# KiCad board RobotLegoController.kicad_pcb
title: Robot Lego Controller REV A; date: 2023-03-01; rev: REV A; note: design by sggtav; note: sggtav@hotmail.com
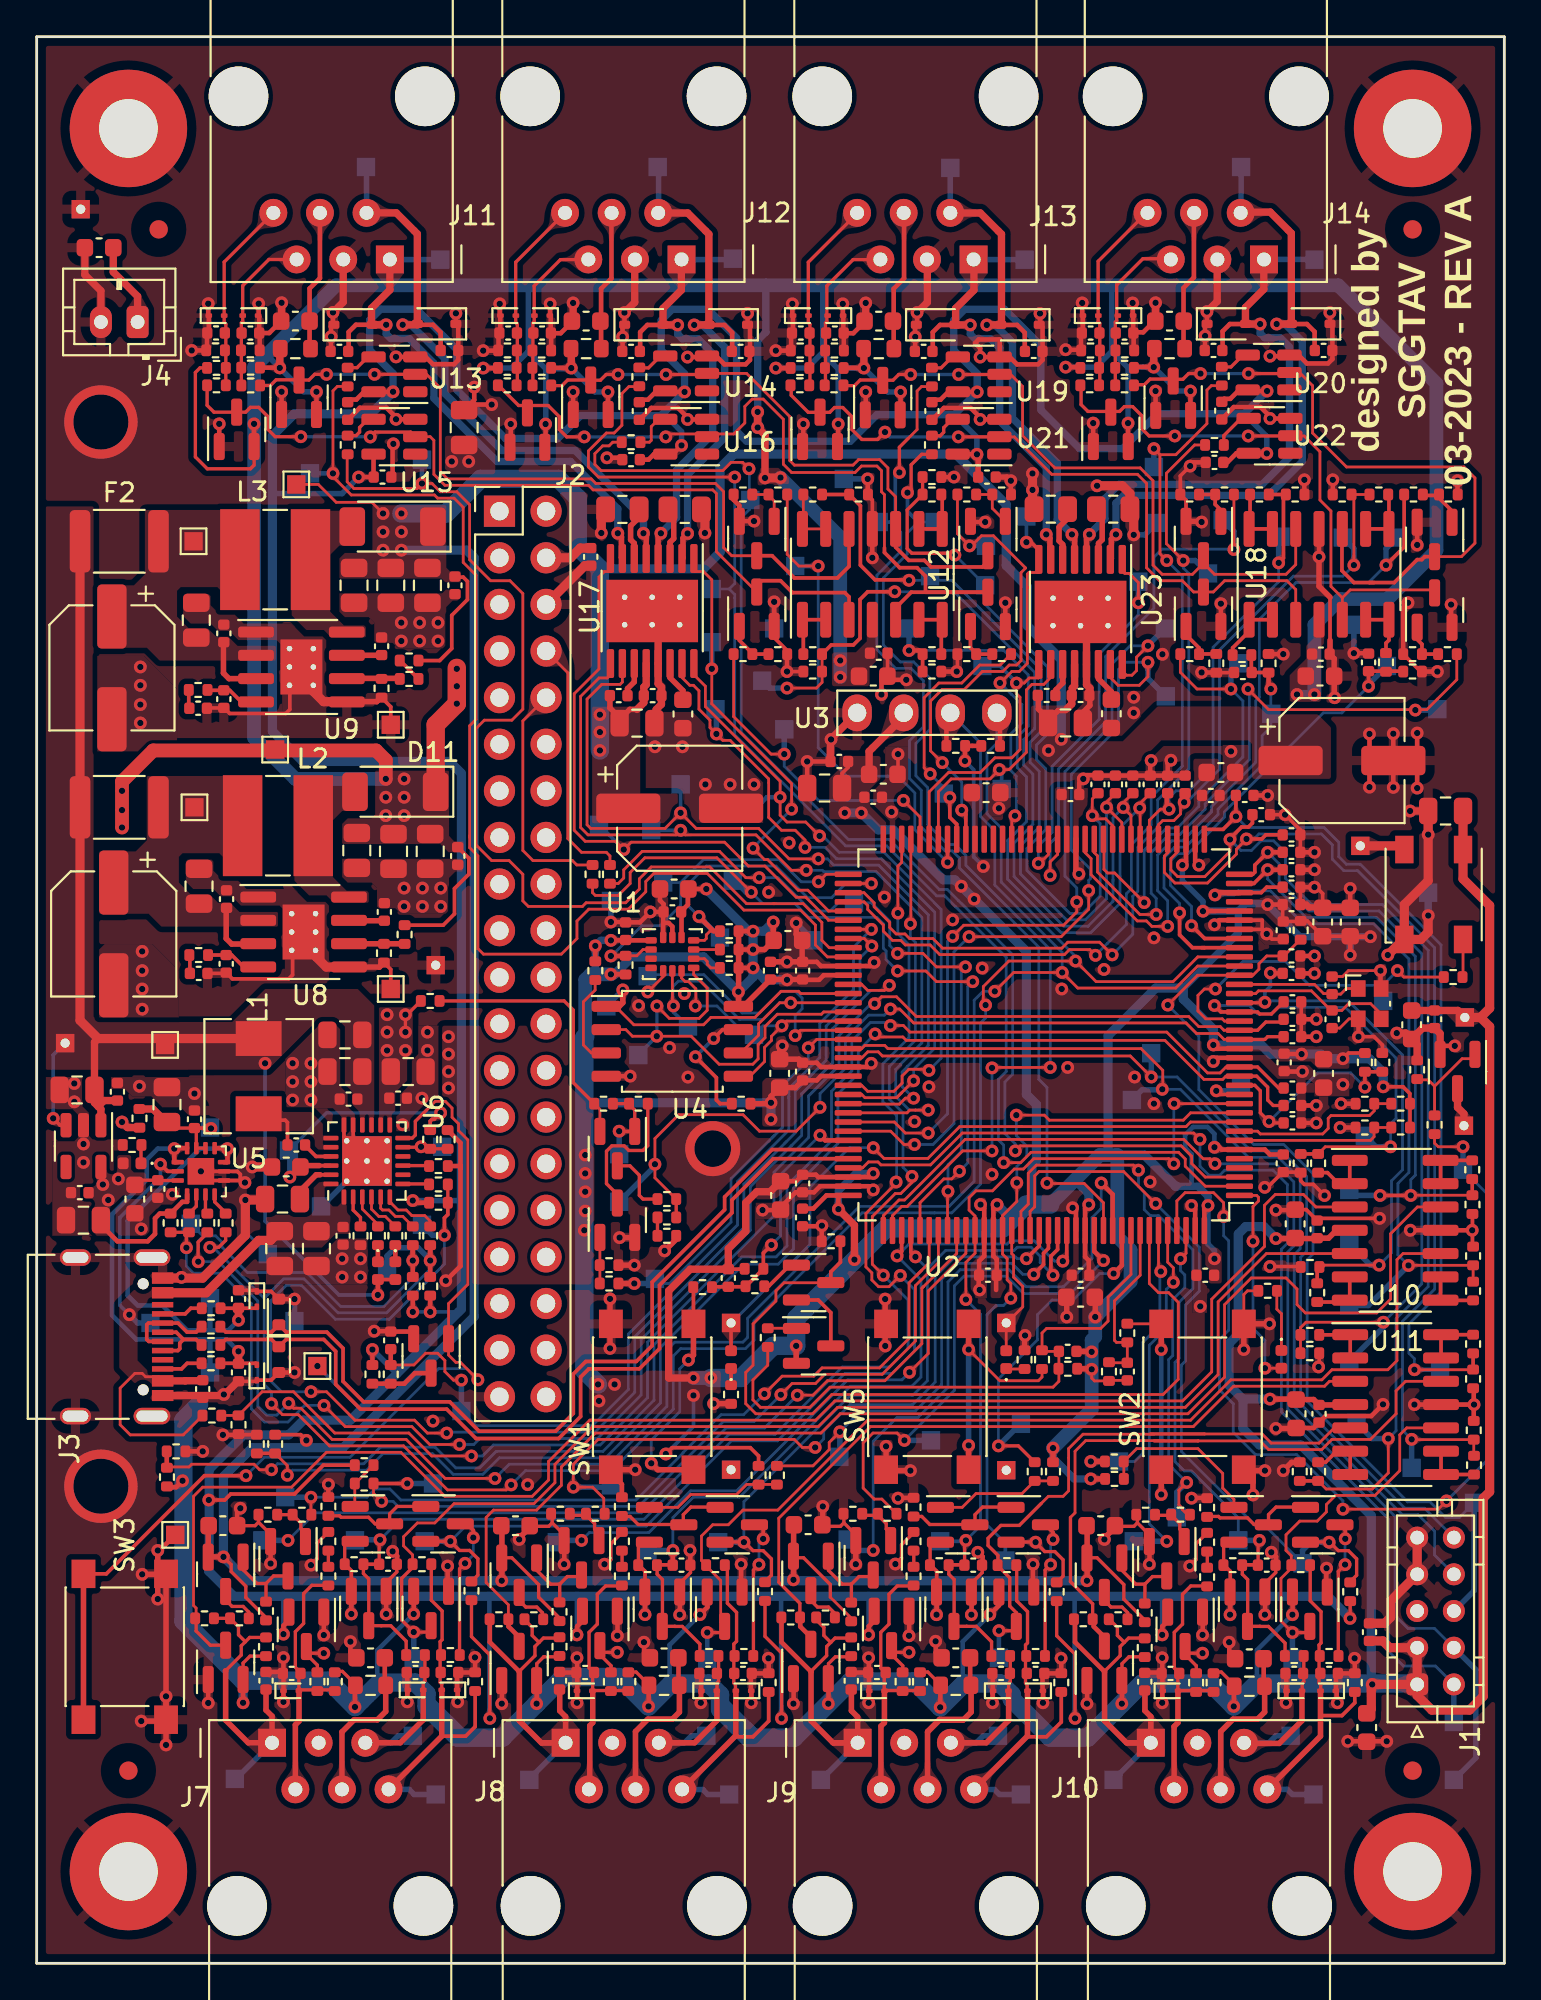
[diagram p0: board, top side]
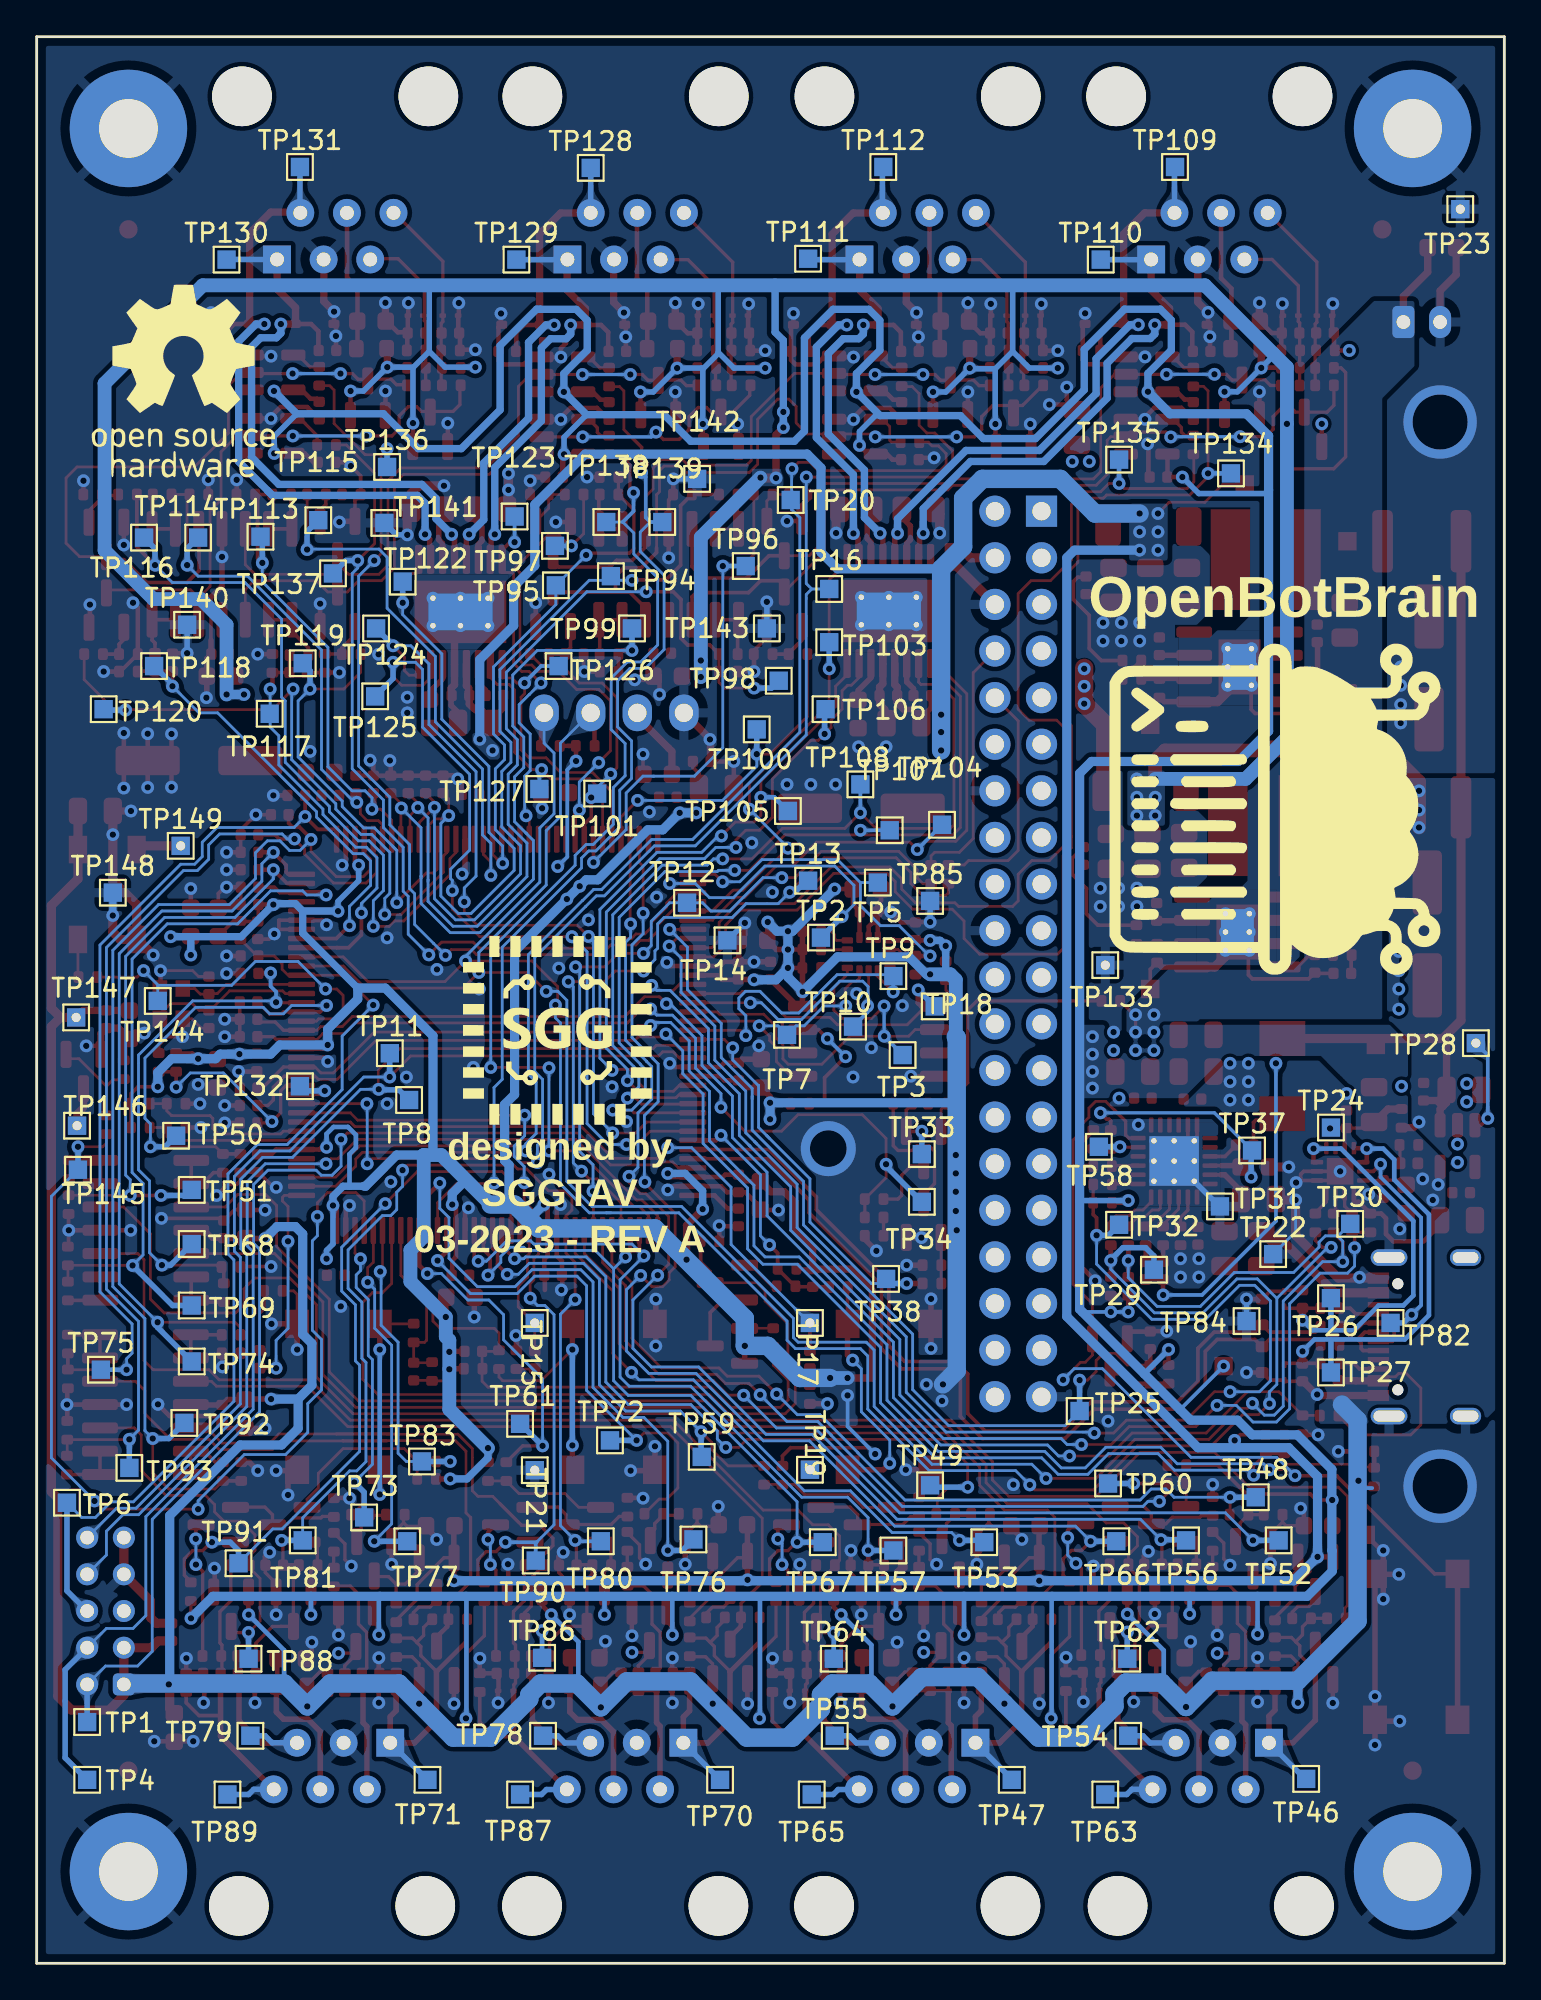
[diagram p1: board, bottom side, seen from below]

Outline 80 x 105 mm; copper layers: L1, L2 (plane), L3 (plane), L4. Coordinates in mm from the lower left corner of the outline.
Outline path: 0,105 0,0 80,0 80,105 0,105
Stack: L1 0.035mm / dielectric 0.1mm FR4 er 4.5 / L2 0.035mm / dielectric 1.24mm FR4 er 4.5 / L3 0.035mm / dielectric 0.1mm FR4 er 4.5 / L4 0.035mm

## Placement (name value [footprint] x y rotation side)
C1  100n  [C_0402_1005Metric]  72.65 18.05 270 top
C2  1u 16V  [C_0603_1608Metric]  72.5 12.85 270 top
C3  1u 16V  [C_0603_1608Metric]  34.75 58.55 180 top
C4  100n  [C_0402_1005Metric]  32.1 56.25 90 top
C5  100n  [C_0402_1005Metric]  34.65 57.3 180 top
C6  100n  [C_0402_1005Metric]  56.2 33.35 180 top
C7  100n  [C_0402_1005Metric]  37.7 37.35 270 top
C8  100n  [C_0402_1005Metric]  59.45 32.25 90 top
C9  10u  [C_0805_2012Metric]  23.3 83.7 90 top
C10  100n  [C_0402_1005Metric]  30.2 76.65 270 top
C11  4u7 16V  [C_0603_1608Metric]  40.5 48.5 90 top
C12  100n  [C_0402_1005Metric]  41.75 48.6 270 top
C13  4u7 16V  [C_0603_1608Metric]  56.9 36.3 180 top
C14  100n  [C_0402_1005Metric]  56.9 37.5 0 top
C15  10n  [C_0402_1005Metric]  68.4 57.7 0 top
C16  1u 16V  [C_0603_1608Metric]  70.1 56.75 90 top
C17  1u 16V  [C_0603_1608Metric]  71.6 56.75 90 top
C18  100n  [C_0402_1005Metric]  67.95 56.3 90 top
C19  1u 16V  [C_0603_1608Metric]  40.55 41.85 270 top
C20  100n  [C_0402_1005Metric]  41.75 42.5 90 top
C21  6p8  [C_0402_1005Metric]  70.61 53.3 90 top
C22  6p8  [C_0402_1005Metric]  70.61 51.45 270 top
C23  100n  [C_0402_1005Metric]  67.95 43.6 90 top
C24  100n  [C_0402_1005Metric]  68 49.1 90 top
C25  100n  [C_0402_1005Metric]  64 63.65 180 top
C26  100n  [C_0402_1005Metric]  56.35 63.7 180 top
C27  100n  [C_0402_1005Metric]  45.59 63.55 180 top
C28  100n  [C_0402_1005Metric]  41.75 54.1 270 top
C29  100n  [C_0402_1005Metric]  41.75 40.65 90 top
C30  100n  [C_0402_1005Metric]  68.4 54.9 0 top
C31  100n  [C_0402_1005Metric]  51.85 37.5 0 top
C32  100n  [C_0402_1005Metric]  63.7 37.5 0 top
C33  1u 16V  [C_0603_1608Metric]  64.55 64.9 0 top
C34  1u 16V  [C_0603_1608Metric]  70.15 48.5 270 top
C35  1u 16V  [C_0603_1608Metric]  46.15 64.8 0 top
C36  1u 16V  [C_0603_1608Metric]  51.75 63.8 0 top
C37  1u 16V  [C_0603_1608Metric]  40.95 55.75 0 top
C38  100n  [C_0402_1005Metric]  40 54.1 90 top
C39  100n  [C_0402_1005Metric]  43.75 65.5 0 top
C40  10u 16V  [C_0805_2012Metric]  42.95 64.05 180 top
C41  100n  [C_0402_1005Metric]  9.05 31.3 270 top
C42  100n  [C_0402_1005Metric]  6.6 42.2 270 top
C43  1u 16V  [C_0603_1608Metric]  5.35 41.65 270 top
C44  10u 16V  [C_0805_2012Metric]  7.1 46.8 90 top
C45  100n  [C_0402_1005Metric]  8.6 46 90 top
C46  100n  [C_0402_1005Metric]  19.3 33.95 90 top
C47  330p  [C_0402_1005Metric]  11 32.2 270 top
C48  330p  [C_0402_1005Metric]  11 36.2 90 top
C49  10u  [C_0805_2012Metric]  13.25 38.95 270 top
C50  10u  [C_0805_2012Metric]  15.25 38.95 270 top
C51  10u  [C_0805_2012Metric]  16.8 50.6 180 top
C52  100n  [C_0402_1005Metric]  16.7 39.65 270 top
C53  1u 16V  [C_0603_1608Metric]  3.4 93.5 180 top
C54  100n  [C_0402_1005Metric]  14.15 44.6 0 top
C55  100n  [C_0402_1005Metric]  17 47.1 180 top
C56  10u  [C_0805_2012Metric]  16.8 48.6 180 top
C57  10u 16V  [C_0805_2012Metric]  76.8 62.8 180 top
C58  100n  [C_0402_1005Metric]  68.45 50.5 0 top
C59  10u 16V  [C_0805_2012Metric]  20.25 48.6 0 top
C60  4u7 16V  [C_0603_1608Metric]  13.6 43.4 180 top
C61  10u 16V  [C_0805_2012Metric]  2.2 47.6 180 top
C62  100n  [C_0402_1005Metric]  4.4 47.5 90 top
C63  100n  [C_0402_1005Metric]  2.35 42 180 top
C64  10u 16V  [C_0805_2012Metric]  2.55 40.5 180 top
C65  10u 16V  [C_0805_2012Metric]  13.4 41.65 180 top
C66  100uF 16V  [CP_Elec_6.3x5.2]  4.2 56.1 270 top
C67  10u 16V  [C_0805_2012Metric]  8.85 58.7 90 top
C68  100n  [C_0402_1005Metric]  10.35 58 90 top
C69  100uF 16V  [CP_Elec_6.3x5.2]  4.1 70.6 270 top
C70  10u 16V  [C_0805_2012Metric]  8.7 73.2 90 top
C71  100n  [C_0402_1005Metric]  10.2 72.48 90 top
C72  100n  [C_0402_1005Metric]  22.95 60.35 270 top
C73  10u  [C_0805_2012Metric]  17.45 60.65 270 top
C74  10u  [C_0805_2012Metric]  19.45 60.6 270 top
C75  10u  [C_0805_2012Metric]  21.45 60.6 270 top
C76  100n  [C_0402_1005Metric]  22.8 75.1 270 top
C77  10u  [C_0805_2012Metric]  17.3 75.1 270 top
C78  10u  [C_0805_2012Metric]  19.3 75.1 270 top
C79  10u  [C_0805_2012Metric]  21.3 75.1 270 top
C80  10n  [C_0402_1005Metric]  18.95 57.3 90 top
C81  10n  [C_0402_1005Metric]  18.8 71.78 90 top
C82  47p  [C_0402_1005Metric]  10.33 54.47 270 top
C83  47p  [C_0402_1005Metric]  10.2 68.9 270 top
C84  2.2n  [C_0402_1005Metric]  8.83 53.95 0 top
C85  2.2n  [C_0402_1005Metric]  8.8 68.4 0 top
C86  10n  [C_0402_1005Metric]  68.45 51.45 0 top
C87  10n  [C_0402_1005Metric]  68.45 46.75 0 top
C88  10n  [C_0402_1005Metric]  68.45 47.7 0 top
C89  10n  [C_0402_1005Metric]  68.45 45.8 0 top
C90  1u 16V  [C_0603_1608Metric]  10.15 23.85 0 top
C91  1u 16V  [C_0603_1608Metric]  26.1 23.85 0 top
C92  1u 16V  [C_0603_1608Metric]  68.65 29.95 90 top
C93  100n  [C_0402_1005Metric]  69.9 29.95 270 top
C94  1u 16V  [C_0603_1608Metric]  18.2 16.65 0 top
C95  330p  [C_0402_1005Metric]  12.5 15.4 90 top
C96  330p  [C_0402_1005Metric]  28.5 15.4 90 top
C97  10n  [C_0402_1005Metric]  68.45 52.4 0 top
C98  10n  [C_0402_1005Metric]  68.4 59.6 0 top
C99  1u 16V  [C_0603_1608Metric]  34.2 16.65 0 top
C100  330p  [C_0402_1005Metric]  13.9 15.8 180 top
C101  330p  [C_0402_1005Metric]  29.9 15.85 180 top
C102  330p  [C_0402_1005Metric]  20.65 15.85 180 top
C103  330p  [C_0402_1005Metric]  19.15 21.75 0 top
C104  330p  [C_0402_1005Metric]  36.6 15.8 180 top
C105  330p  [C_0402_1005Metric]  35.15 21.7 0 top
C106  330p  [C_0402_1005Metric]  22.5 15.85 0 top
C107  330p  [C_0402_1005Metric]  38.5 15.8 0 top
C108  10n  [C_0402_1005Metric]  68.4 53.95 0 top
C109  10n  [C_0402_1005Metric]  68.4 58.65 0 top
C110  1u 16V  [C_0603_1608Metric]  42.05 23.9 0 top
C111  1u 16V  [C_0603_1608Metric]  58 23.85 0 top
C112  1u 16V  [C_0603_1608Metric]  68.6 40.3 270 top
C113  100n  [C_0402_1005Metric]  69.8 40 90 top
C114  1u 16V  [C_0603_1608Metric]  50.1 16.65 0 top
C115  330p  [C_0402_1005Metric]  44.4 15.4 90 top
C116  330p  [C_0402_1005Metric]  60.4 15.35 90 top
C117  10n  [C_0402_1005Metric]  68.4 60.55 0 top
C118  10n  [C_0402_1005Metric]  65.85 63.65 0 top
C119  1u 16V  [C_0603_1608Metric]  66.1 16.6 0 top
C120  330p  [C_0402_1005Metric]  45.8 15.85 180 top
C121  330p  [C_0402_1005Metric]  61.8 15.8 180 top
C122  330p  [C_0402_1005Metric]  52.57 15.8 180 top
C123  330p  [C_0402_1005Metric]  51.05 21.7 0 top
C124  330p  [C_0402_1005Metric]  68.55 15.8 180 top
C125  330p  [C_0402_1005Metric]  67.05 21.7 0 top
C126  330p  [C_0402_1005Metric]  54.45 15.8 0 top
C127  330p  [C_0402_1005Metric]  70.45 15.8 0 top
C128  10n  [C_0402_1005Metric]  66.75 62.6 0 top
C129  10n  [C_0402_1005Metric]  68.4 61.5 0 top
C130  330p  [C_0402_1005Metric]  11.65 88.85 0 top
C131  330p  [C_0402_1005Metric]  27.55 88.85 0 top
C132  1u 16V  [C_0603_1608Metric]  14.1 89.5 0 top
C133  10n  [C_0402_1005Metric]  58.8 64.25 90 top
C134  10n  [C_0402_1005Metric]  57.85 64.25 90 top
C135  1u 16V  [C_0603_1608Metric]  29.95 89.5 0 top
C136  330p  [C_0402_1005Metric]  9.78 88.85 180 top
C137  330p  [C_0402_1005Metric]  25.7 88.85 180 top
C138  10n  [C_0402_1005Metric]  59.75 64.25 90 top
C139  10n  [C_0402_1005Metric]  60.7 64.25 90 top
C140  1u 16V  [C_0603_1608Metric]  45.6 70.15 0 top
C141  100n  [C_0402_1005Metric]  45.9 71.4 180 top
C142  100n  [C_0402_1005Metric]  18.85 81 0 top
C143  100n  [C_0402_1005Metric]  32.4 81.95 180 top
C144  100n  [C_0402_1005Metric]  16.95 84.6 270 top
C145  100n  [C_0402_1005Metric]  32.85 84.6 270 top
C146  100n  [C_0402_1005Metric]  33.57 69.09 0 top
C147  10u 16V  [C_0805_2012Metric]  32.72 67.59 0 top
C148  100uF 16V  [CP_Elec_6.3x5.2]  35.05 62.95 0 top
C149  4u7 16V  [C_0603_1608Metric]  35.22 68.09 270 top
C150  10n  [C_0402_1005Metric]  31.72 69.09 0 top
C151  330p  [C_0402_1005Metric]  22.5 87.9 0 top
C152  330p  [C_0402_1005Metric]  16.5 87.85 180 top
C153  330p  [C_0402_1005Metric]  32.4 87.85 180 top
C154  330p  [C_0402_1005Metric]  38.37 87.85 0 top
C155  330p  [C_0402_1005Metric]  43.51 88.85 0 top
C156  330p  [C_0402_1005Metric]  59.3 88.85 0 top
C157  1u 16V  [C_0603_1608Metric]  45.9 89.5 0 top
C158  10n  [C_0402_1005Metric]  61.65 64.25 90 top
C159  10n  [C_0402_1005Metric]  62.6 64.25 90 top
C160  1u 16V  [C_0603_1608Metric]  61.75 89.5 0 top
C161  330p  [C_0402_1005Metric]  41.65 88.85 180 top
C162  330p  [C_0402_1005Metric]  57.45 88.85 180 top
C163  10n  [C_0402_1005Metric]  65.75 70.35 180 top
C164  10n  [C_0402_1005Metric]  72.6 70.9 90 top
C165  1u 16V  [C_0603_1608Metric]  69.95 70.15 0 top
C166  100n  [C_0402_1005Metric]  70 71.35 180 top
C167  100n  [C_0402_1005Metric]  51.8 81 0 top
C168  100n  [C_0402_1005Metric]  64.2 81.8 180 top
C169  100n  [C_0402_1005Metric]  48.8 84.6 270 top
C170  100n  [C_0402_1005Metric]  64.6 84.62 270 top
C171  100n  [C_0402_1005Metric]  56.9 69.1 0 top
C172  10u 16V  [C_0805_2012Metric]  56.08 67.6 0 top
C173  100uF 16V  [CP_Elec_6.3x5.2]  71.15 65.55 0 top
C174  4u7 16V  [C_0603_1608Metric]  58.58 68.1 270 top
C175  10n  [C_0402_1005Metric]  55.05 69.1 0 top
C176  330p  [C_0402_1005Metric]  54.35 87.85 0 top
C177  330p  [C_0402_1005Metric]  48.35 87.85 180 top
C178  330p  [C_0402_1005Metric]  64.15 87.9 180 top
C179  330p  [C_0402_1005Metric]  70.15 87.9 0 top
C180  100n  [C_0402_1005Metric]  19.7 47.15 0 top
C181  1u 16V  [C_0603_1608Metric]  74.95 51.15 90 top
C182  100n  [C_0402_1005Metric]  76.2 51.45 270 top
D1  LED  [LED_0402_1005Metric]  52.85 32.9 90 top
D2  LED  [LED_0402_1005Metric]  67.85 32.92 270 top
D3  LED  [LED_0402_1005Metric]  37.85 32.9 90 top
D4  ESD5Zxx  [D_SOD-523]  13.2 32.9 270 top
D5  ESD5Zxx  [D_SOD-523]  13.2 35.5 90 top
D6  ESD9B5.0ST5G  [D_SOD-923]  12 32.2 90 top
D7  ESD9B5.0ST5G  [D_SOD-923]  12 36.2 270 top
D8  LED  [LED_0402_1005Metric]  19.55 37.75 270 top
D9  LED  [LED_0402_1005Metric]  18.6 37.75 270 top
D10  LED  [LED_0402_1005Metric]  5.2 43.6 180 top
D11  FSV330AF  [D_SOD-128]  19.55 63.85 180 top
D12  FSV330AF  [D_SOD-128]  19.4 78.3 180 top
D13  BAT54S  [SOT-23]  10.3 16.4 90 top
D14  BAT54S  [SOT-23]  26.3 16.34 90 top
D15  BAT54S  [SOT-23]  14.7 18.2 270 top
D16  BAT54S  [SOT-23]  30.7 18.25 270 top
D17  ESD9B5.0ST5G  [D_SOD-923]  13.87 14.85 0 top
D18  ESD9B5.0ST5G  [D_SOD-923]  29.87 14.85 0 top
D19  BAT54S  [SOT-23]  18.1 19.34 270 top
D20  BAT54S  [SOT-23]  34.1 19.3 270 top
D21  ESD9B5.0ST5G  [D_SOD-923]  20.65 14.9 0 top
D22  ESD9B5.0ST5G  [D_SOD-923]  36.65 14.85 0 top
D23  BAT54S  [SOT-23]  21.5 19.34 270 top
D24  BAT54S  [SOT-23]  37.5 19.3 270 top
D25  ESD9B5.0ST5G  [D_SOD-923]  22.5 14.9 180 top
D26  ESD9B5.0ST5G  [D_SOD-923]  38.53 14.85 180 top
D27  BAT54S  [SOT-23]  42.2 16.45 90 top
D28  BAT54S  [SOT-23]  58.2 16.35 90 top
D29  BAT54S  [SOT-23]  46.6 18.25 270 top
D30  BAT54S  [SOT-23]  62.6 18.2 270 top
D31  ESD9B5.0ST5G  [D_SOD-923]  45.8 14.85 0 top
D32  ESD9B5.0ST5G  [D_SOD-923]  61.8 14.85 0 top
D33  BAT54S  [SOT-23]  50 19.3 270 top
D34  BAT54S  [SOT-23]  66 19.3 270 top
D35  ESD9B5.0ST5G  [D_SOD-923]  52.55 14.85 0 top
D36  ESD9B5.0ST5G  [D_SOD-923]  68.55 14.85 0 top
D37  BAT54S  [SOT-23]  53.4 19.3 270 top
D38  BAT54S  [SOT-23]  69.4 19.3 270 top
D39  ESD9B5.0ST5G  [D_SOD-923]  54.43 14.85 180 top
D40  ESD9B5.0ST5G  [D_SOD-923]  70.4 14.85 180 top
D41  ESD9B5.0ST5G  [D_SOD-923]  11.65 89.8 180 top
D42  ESD9B5.0ST5G  [D_SOD-923]  27.55 89.8 180 top
D43  BAT54S  [SOT-23]  14.3 85.35 90 top
D44  BAT54S  [SOT-23]  30.2 85.35 90 top
D45  ESD9B5.0ST5G  [D_SOD-923]  9.8 89.8 0 top
D46  ESD9B5.0ST5G  [D_SOD-923]  25.7 89.8 0 top
D47  BAT54S  [SOT-23]  10.9 83.6 90 top
D48  BAT54S  [SOT-23]  26.75 83.56 90 top
D49  SD12_SOD323  [D_SOD-323]  21.8 89.35 180 top
D50  SD12_SOD323  [D_SOD-323]  17.25 89.3 0 top
D51  SD12_SOD323  [D_SOD-323]  33.1 89.3 0 top
D52  SD12_SOD323  [D_SOD-323]  37.7 89.3 180 top
D53  ESD9B5.0ST5G  [D_SOD-923]  43.54 89.8 180 top
D54  ESD9B5.0ST5G  [D_SOD-923]  59.35 89.8 180 top
D55  BAT54S  [SOT-23]  46.12 85.33 90 top
D56  BAT54S  [SOT-23]  61.95 85.3 90 top
D57  ESD9B5.0ST5G  [D_SOD-923]  41.65 89.8 0 top
D58  ESD9B5.0ST5G  [D_SOD-923]  57.45 89.8 0 top
D59  BAT54S  [SOT-23]  42.7 83.6 90 top
D60  BAT54S  [SOT-23]  58.55 83.6 90 top
D61  SD12_SOD323  [D_SOD-323]  53.6 89.3 180 top
D62  SD12_SOD323  [D_SOD-323]  49 89.3 0 top
D63  SD12_SOD323  [D_SOD-323]  64.85 89.35 0 top
D64  SD12_SOD323  [D_SOD-323]  69.45 89.35 180 top
D65  Inolux_IN-PI554FCH  [LED_Inolux_IN-PI554FCH_PLCC4_5.0x5.0mm_P3.2mm]  76.15 58.25 90 top
F1  8V 2A  [R_1812_4532Metric]  4.5 63 0 top
F2  8V 2A  [R_1812_4532Metric]  4.5 77.5 0 top
F3  30mA  [R_0603_1608Metric]  18.2 15.15 180 top
F4  30mA  [R_0603_1608Metric]  34.2 15.15 180 top
F5  30mA  [R_0603_1608Metric]  50.1 15.15 180 top
F6  30mA  [R_0603_1608Metric]  66.1 15.1 180 top
F7  30mA  [R_0603_1608Metric]  14.1 88 180 top
F8  30mA  [R_0603_1608Metric]  29.95 88 180 top
F9  30mA  [R_0603_1608Metric]  45.9 88 180 top
F10  30mA  [R_0603_1608Metric]  61.75 88 180 top
FID1  Fiducial  [Fiducial_1mm_Mask3mm]  5 10.5 0 top
FID2  Fiducial  [Fiducial_1mm_Mask3mm]  75 10.5 0 top
FID3  Fiducial  [Fiducial_1mm_Mask3mm]  6.65 94.5 0 top
FID4  Fiducial  [Fiducial_1mm_Mask3mm]  75 94.5 0 top
H1  3mm  [MountingHole_3.2mm_M3_Pad]  5 5 0 top
H2  3mm  [MountingHole_3.2mm_M3_Pad]  75 5 0 top
H3  3mm  [MountingHole_3.2mm_M3_Pad]  5 100 0 top
H4  3mm  [MountingHole_3.2mm_M3_Pad]  75 100 0 top
J1  DF11-10DP-2DSA  [JST_PHD_B10B-PHDSS_2x05_P2.00mm_Vertical]  75.25 15.2 90 top
J2  Raspberry_Pi_2_3  [PinHeader_2x20_P2.54mm_Vertical]  25.23 79.14 0 top
J3  USB_C_Receptacle_USB2.0  [USB_C_Receptacle_Palconn_UTC16-G]  4.35 34.14 270 top
J4  Conn_01x02  [JST_PH_B2B-PH-K_1x02_P2.00mm_Vertical]  5.5 89.45 180 top
J7  RJ12  [RJ12_Amphenol_54601]  12.83 12.02 0 top
J8  RJ12  [RJ12_Amphenol_54601]  28.83 12.02 0 top
J9  RJ12  [RJ12_Amphenol_54601]  44.75 12.02 0 top
J10  RJ12  [RJ12_Amphenol_54601]  60.73 12.02 0 top
J11  RJ12  [RJ12_Amphenol_54601]  19.25 92.86 180 top
J12  RJ12  [RJ12_Amphenol_54601]  35.15 92.86 180 top
J13  RJ12  [RJ12_Amphenol_54601]  51.07 92.86 180 top
J14  RJ12  [RJ12_Amphenol_54601]  66.9 92.86 180 top
L1  1.2uH 6.5A  [L_Chilisin_BMRA00050520]  12.1 48.35 90 top
L2  6.8uH 3.6A  [L_Ferrocore_DLG-0504]  13.15 62 0 top
L3  6.8uH 3.6A  [L_Ferrocore_DLG-0504]  13 76.5 0 top
Q1  BSS84  [SOT-23]  42.35 33.65 0 top
Q2  BSS84  [SOT-23]  42.35 37.1 0 top
Q3  BSS84  [SOT-23]  31.65 44.4 270 top
Q4  2N7002  [SOT-23]  31.65 40.5 90 top
Q5  BSS84  [SOT-23]  10.3 21.2 270 top
Q6  BSS84  [SOT-23]  26.3 21.15 270 top
Q7  2N7002  [SOT-23]  13.7 22.05 270 top
Q8  2N7002  [SOT-23]  29.7 22.1 270 top
Q9  BSS84  [SOT-23]  34.34 23.9 0 top
Q10  BSS84  [SOT-23]  18.3 23.95 0 top
Q11  BSS84  [SOT-23]  50.2 23.9 0 top
Q12  BSS84  [SOT-23]  66.2 23.9 0 top
Q13  2N7002  [SOT-23]  77.45 48.6 270 top
Q15  2N7002  [SOT-23]  22.15 23.95 0 top
Q16  2N7002  [SOT-23]  38.19 23.9 0 top
Q17  BSS84  [SOT-23]  42.2 21.25 270 top
Q18  BSS84  [SOT-23]  58.2 21.15 270 top
Q19  2N7002  [SOT-23]  45.6 22.1 270 top
Q20  2N7002  [SOT-23]  61.6 22.05 270 top
Q27  2N7002  [SOT-23]  54.05 23.9 0 top
Q28  2N7002  [SOT-23]  70.1 23.9 0 top
Q29  2N7002  [SOT-23]  39.25 77.65 270 top
Q30  2N7002  [SOT-23]  51.85 77.65 270 top
Q31  2N7002  [SOT-23]  39.25 73.8 90 top
Q32  2N7002  [SOT-23]  51.85 73.79 90 top
Q33  2N7002  [SOT-23]  63.6 77.65 270 top
Q34  2N7002  [SOT-23]  76.2 77.6 270 top
Q35  2N7002  [SOT-23]  63.6 73.8 90 top
Q36  2N7002  [SOT-23]  76.2 73.75 90 top
Q37  2N7002  [SOT-23]  21.5 33.1 270 top
R1  10K  [R_0402_1005Metric]  37.75 55.25 0 top
R2  10K  [R_0402_1005Metric]  37.75 54.25 0 top
R3  10K  [R_0402_1005Metric]  37.75 56.25 0 top
R4  10K  [R_0402_1005Metric]  32.1 54.4 270 top
R5  22  [R_0402_1005Metric]  31.25 59.35 90 top
R6  10K  [R_0402_1005Metric]  56.21 32.41 0 top
R7  10K  [R_0402_1005Metric]  39.1 37.85 180 top
R8  10K  [R_0402_1005Metric]  58.45 32.25 270 top
R9  22  [R_0402_1005Metric]  30.3 59.35 90 top
R10  330  [R_0402_1005Metric]  54.8 32.9 90 top
R11  330  [R_0402_1005Metric]  36.3 36.85 0 top
R12  330  [R_0402_1005Metric]  59.45 34.35 270 top
R13  10K  [R_0402_1005Metric]  39.85 34.1 270 top
R14  10K  [R_0402_1005Metric]  68.9 56.3 90 top
R15  10K  [R_0402_1005Metric]  39.15 36.9 180 top
R16  10K  [R_0402_1005Metric]  43.3 39.35 180 top
R17  10K  [R_0402_1005Metric]  38.4 46.85 0 top
R18  10K  [R_0402_1005Metric]  30.45 54.1 90 top
R19  10K  [R_0402_1005Metric]  50.1 66.35 0 top
R20  10K  [R_0402_1005Metric]  52 66.35 180 top
R21  2K4  [R_0402_1005Metric]  74.35 45.55 0 top
R22  2K4  [R_0402_1005Metric]  74.35 46.85 0 top
R23  330  [R_0402_1005Metric]  53.85 32.9 270 top
R24  330  [R_0402_1005Metric]  67.1 36.65 0 top
R25  330  [R_0402_1005Metric]  37.85 31 90 top
R26  2K4  [R_0402_1005Metric]  72.4 45.55 0 top
R27  2K4  [R_0402_1005Metric]  72.4 46.85 0 top
R28  22  [R_0402_1005Metric]  5.6 46.05 270 top
R29  22  [R_0402_1005Metric]  9.51 35.7 0 top
R30  22  [R_0402_1005Metric]  9.5 32.7 0 top
R31  10K  [R_0402_1005Metric]  18.3 32.1 90 top
R32  22  [R_0402_1005Metric]  9.5 34.7 0 top
R33  10K  [R_0402_1005Metric]  7.3 40.35 90 top
R34  22  [R_0402_1005Metric]  9.5 33.7 0 top
R35  330  [R_0402_1005Metric]  19.3 32.1 270 top
R36  22  [R_0402_1005Metric]  10.3 40.35 90 top
R37  22  [R_0402_1005Metric]  9.3 40.35 90 top
R38  22  [R_0402_1005Metric]  8.3 40.35 90 top
R39  10K  [R_0402_1005Metric]  20.5 36.9 270 top
R40  10K  [R_0402_1005Metric]  21.45 36.9 270 top
R41  10K  [R_0402_1005Metric]  21.9 41.45 180 top
R42  220K  [R_0402_1005Metric]  30.9 46.85 0 top
R43  10K  [R_0402_1005Metric]  34.35 41.65 180 top
R44  22  [R_0402_1005Metric]  21.45 39.65 90 top
R45  2K4  [R_0402_1005Metric]  19.55 39.65 270 top
R46  22  [R_0402_1005Metric]  20.5 39.65 90 top
R47  2K4  [R_0402_1005Metric]  18.6 39.65 270 top
R48  22  [R_0402_1005Metric]  21.9 42.45 180 top
R49  22  [R_0402_1005Metric]  21.9 43.45 180 top
R50  330  [R_0402_1005Metric]  32.8 46.85 0 top
R51  10K  [R_0402_1005Metric]  34.35 40.65 0 top
R52  22  [R_0402_1005Metric]  17.65 39.65 90 top
R53  10K  [R_0402_1005Metric]  21.45 44.9 90 top
R54  2K4  [R_0402_1005Metric]  31.2 37.05 180 top
R55  10K  [R_0402_1005Metric]  34.35 39.65 180 top
R56  2K4  [R_0402_1005Metric]  5.2 44.6 0 top
R57  10K  [R_0402_1005Metric]  22.4 44.9 270 top
R58  100K  [R_0402_1005Metric]  31.2 38.05 180 top
R59  29K4  [R_0402_1005Metric]  20.06 56.07 90 top
R60  51K  [R_0402_1005Metric]  20.3 71 0 top
R61  10K  [R_0402_1005Metric]  20.3 70 180 top
R62  10K  [R_0402_1005Metric]  18.93 55.05 90 top
R63  51K  [R_0402_1005Metric]  8.83 54.95 0 top
R64  51K  [R_0402_1005Metric]  8.8 69.4 0 top
R65  10K  [R_0402_1005Metric]  18.8 69.49 90 top
R66  51K  [R_0402_1005Metric]  9.55 29.85 180 top
R67  29K4  [R_0402_1005Metric]  13 28.3 90 top